# Altium PCB SuperClock_Core_backup.PcbDoc
Units mil, origin at the board's own origin, x right, y up, seen from the top; angles counter-clockwise.
Board outline 3543.06 x 3149.19 mil, 4 copper layers (Top Layer, VCC2, GND3, Bottom Layer), stack 23.756 mil thick; 76 components, 56 nets, 293 pads, 66 vias.
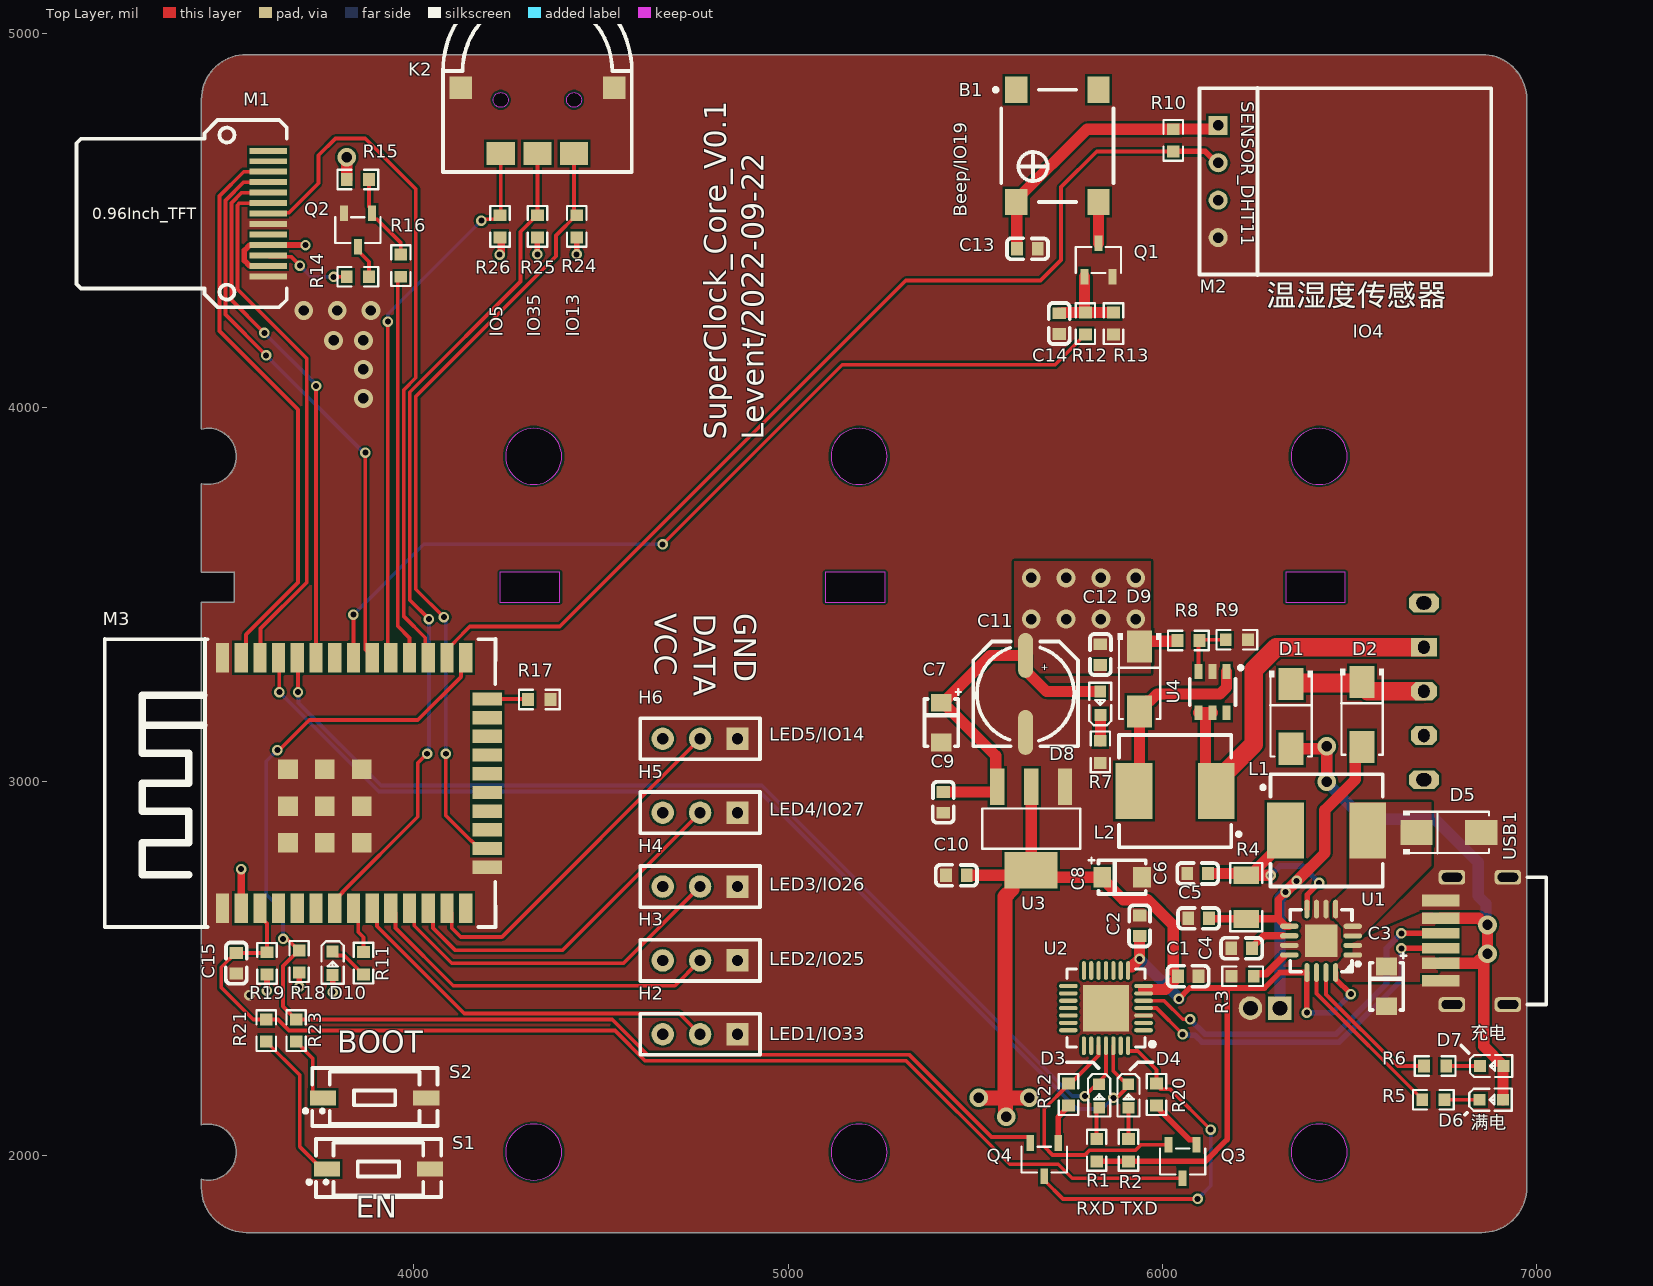
[diagram p0: Top Layer view]
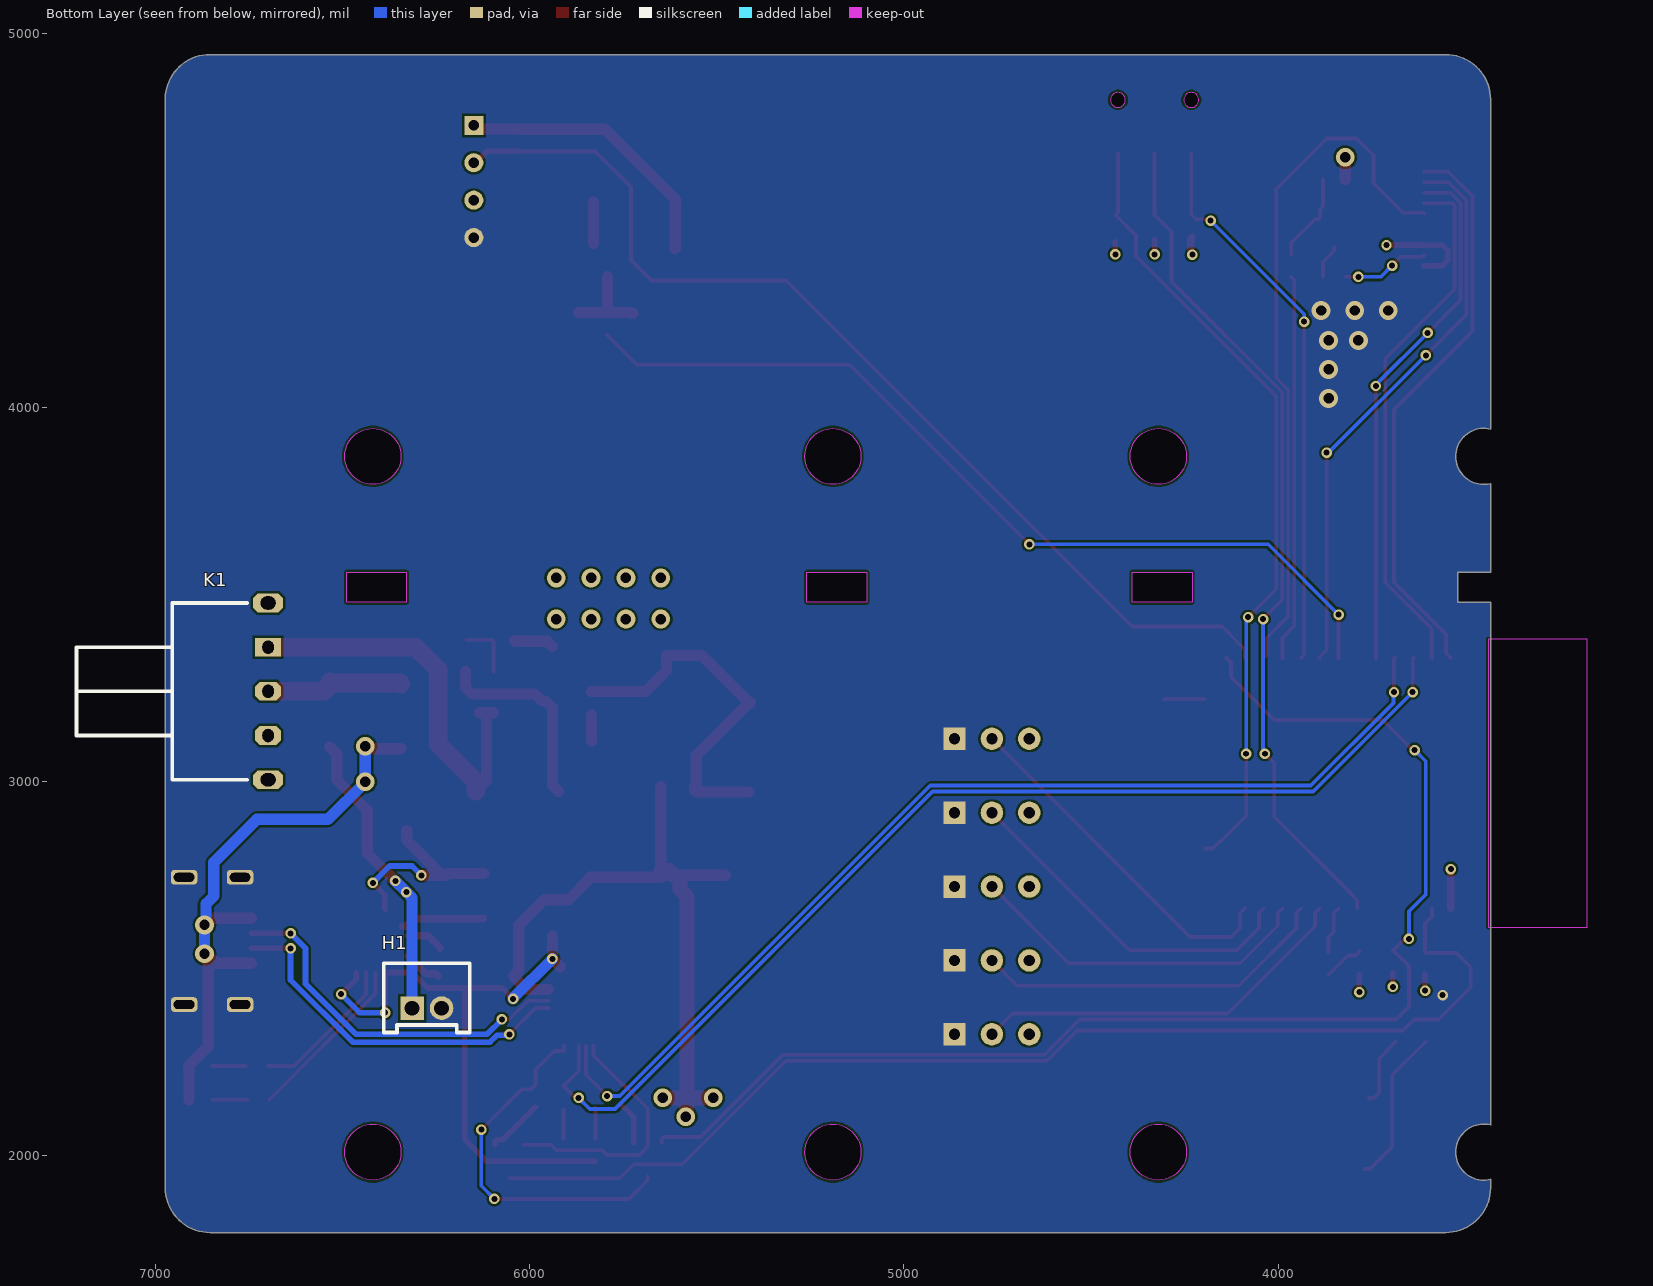
[diagram p1: Bottom Layer view, seen from below]
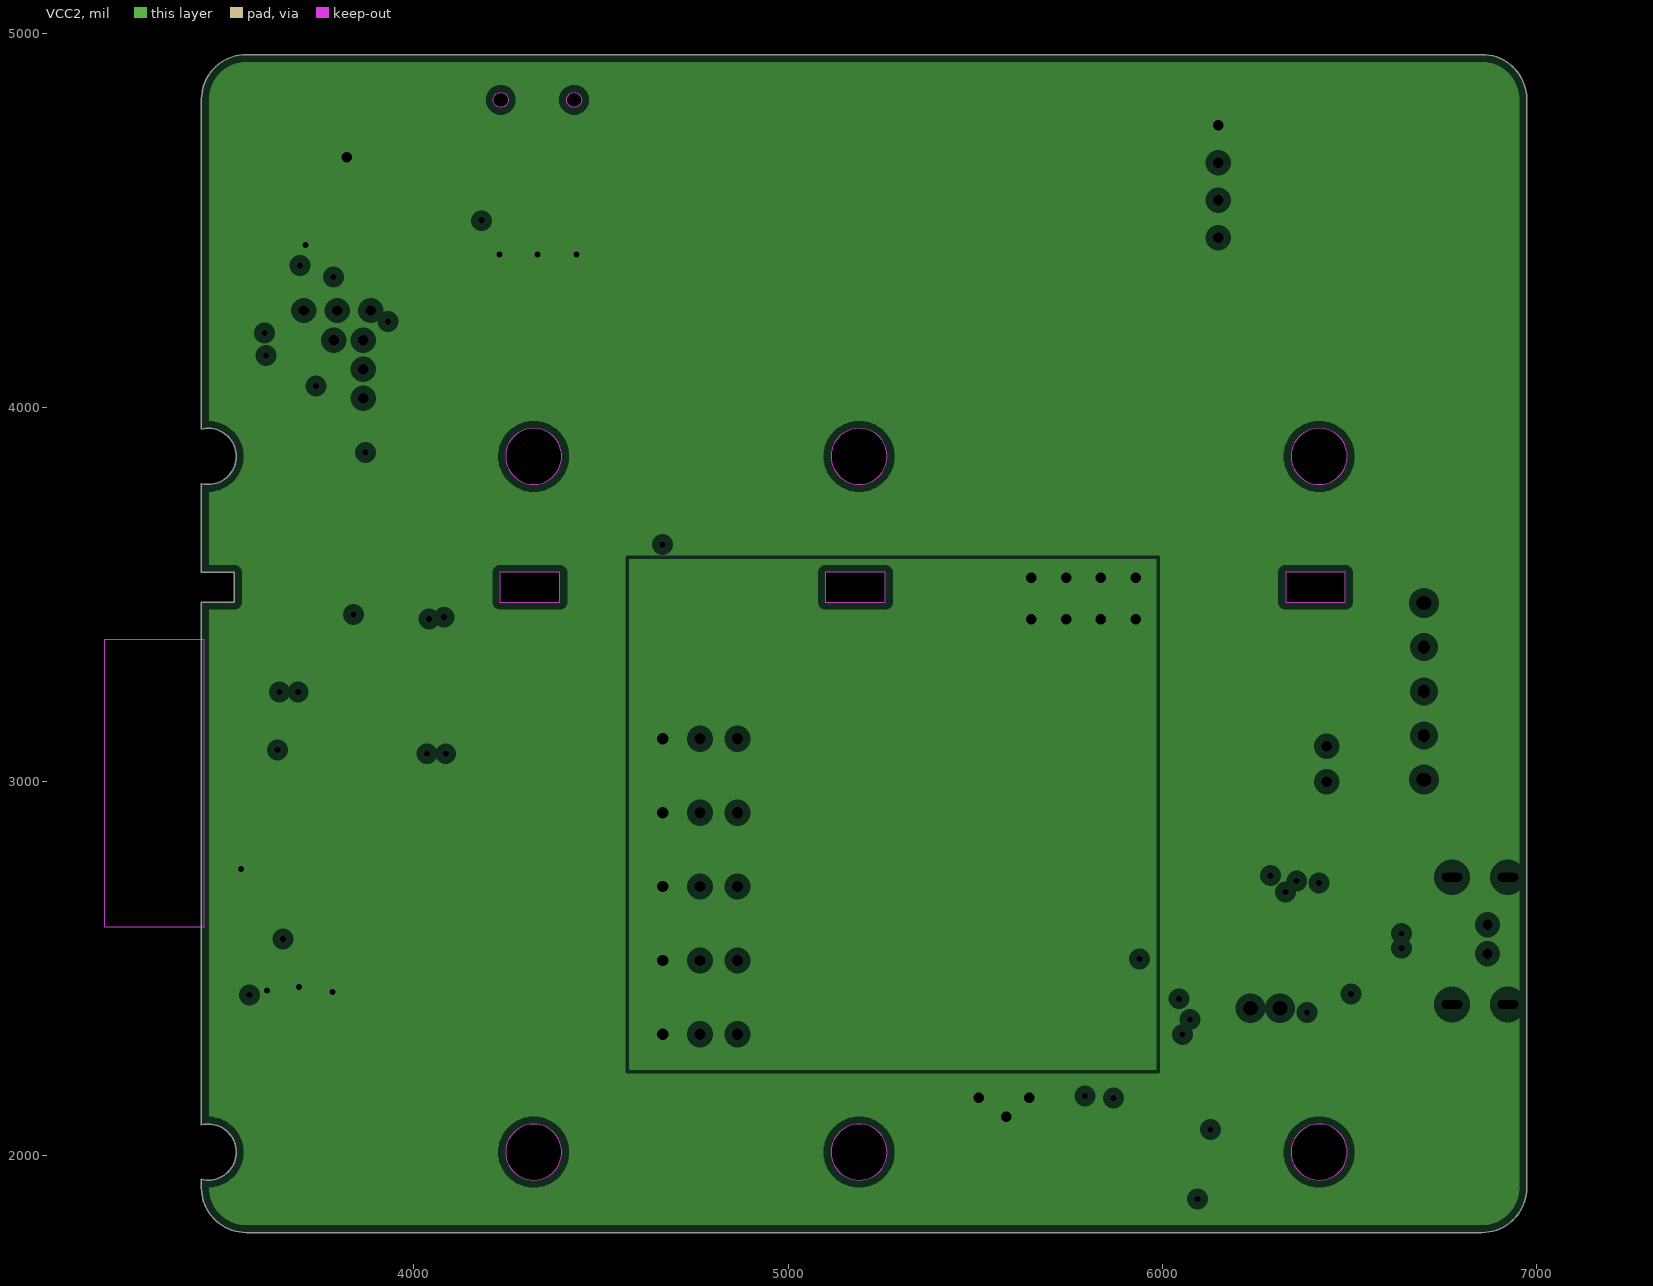
[diagram p2: VCC2, clearances drawn from the general rule]
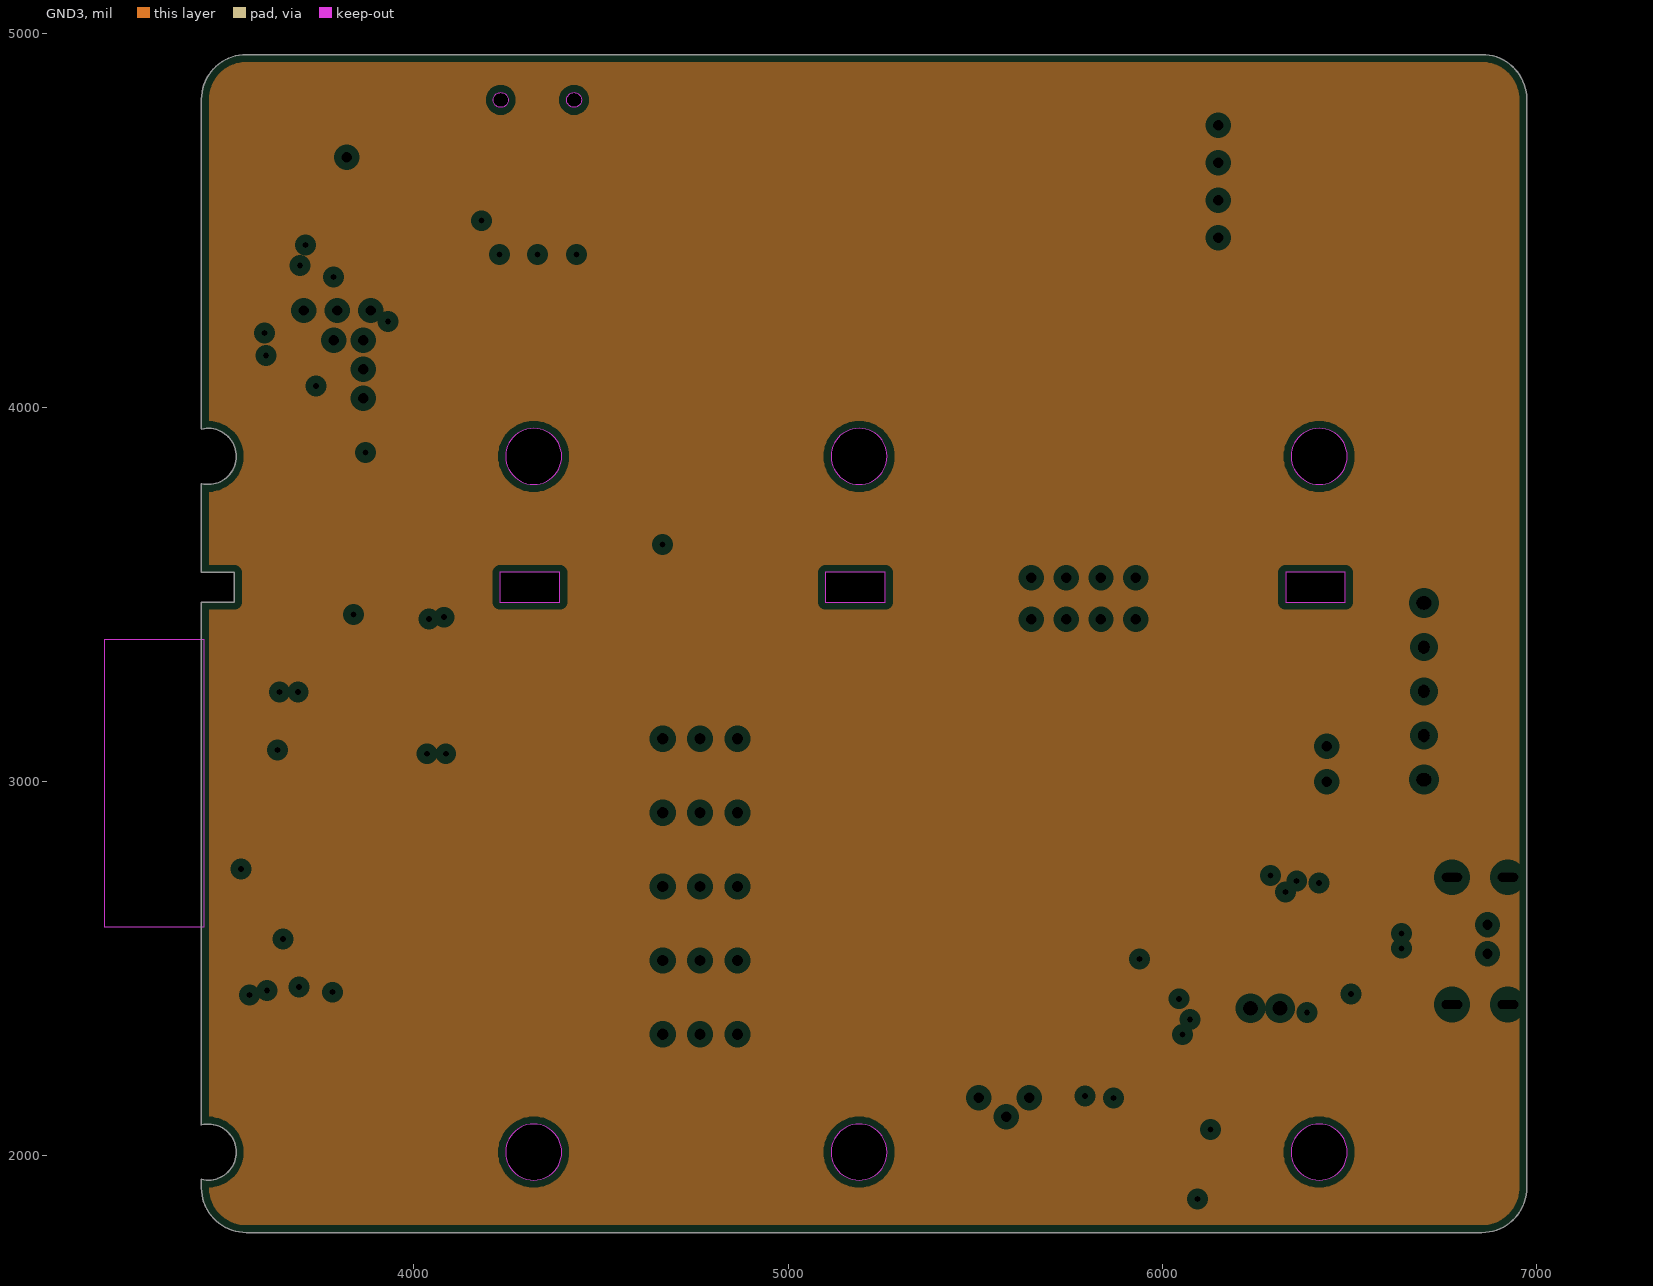
[diagram p3: GND3, clearances drawn from the general rule]
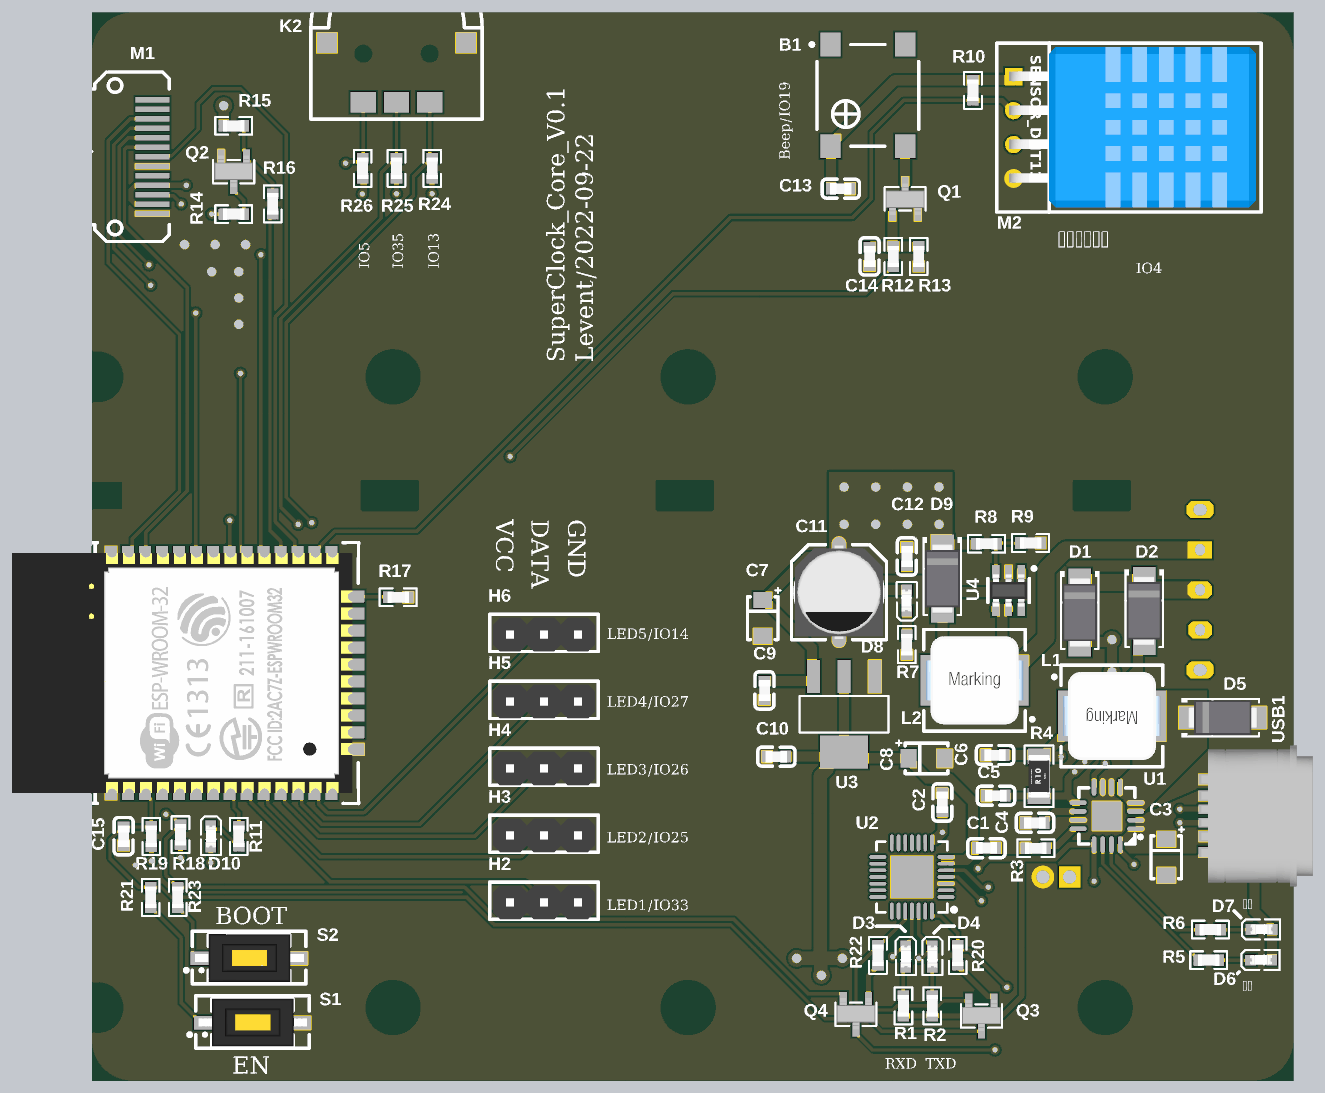
[diagram p4: 3D render of the assembled board from above, using the file's embedded part models]

## Layer stack, top to bottom
Top Solder: solder mask 0.4, Solder Resist, Dk 3.5
Top Layer: signal copper 1.4
Dielectric 2: prepreg 2.8, PP-006, Dk 4.1
VCC2: plane copper 1.378, net V33
Dielectric 1: dielectric 12.6, FR-4, Dk 4.8
GND3: plane copper 1.378
Dielectric 3: prepreg 2.8, PP-006, Dk 4.1
Bottom Layer: signal copper 1.4
Bottom Solder: solder mask 0.4, Solder Resist, Dk 3.5

## Board outline
3432,1914.19 3432,1937.19 ccw(c3450,2010) 3431.94,2082.79 3431.94,2082.75 3431.94,3480 3520,3480 3520,3560 3431.94,3560 3431.94,3797.08 3432.44,3797.08 ccw(c3450,3870) 3432.5,3942.93 3432,3943.43 3432,4824.19 cw(c3552,4824.19) 3552,4944.19 6855,4944.19 cw(c6855.4,4824.59) 6975,4824.99 6975,1915 cw(c6855,1915) 6855,1795 3552,1795 cw(c3551.6,1914.6)
cut-out: 6345,2010 ccw(c6420,2010) 6420,1935 ccw(c6420,2010) 6495,2010 ccw(c6420,2010) 6420,2085 ccw(c6420,2010)
cut-out: 6345,3870 ccw(c6420,3870) 6420,3795 ccw(c6420,3870) 6495,3870 ccw(c6420,3870) 6420,3945 ccw(c6420,3870)
cut-out: 4245,2010 ccw(c4320,2010) 4320,1935 ccw(c4320,2010) 4395,2010 ccw(c4320,2010) 4320,2085 ccw(c4320,2010)
cut-out: 4245,3870 ccw(c4320,3870) 4320,3795 ccw(c4320,3870) 4395,3870 ccw(c4320,3870) 4320,3945 ccw(c4320,3870)
cut-out: 5115,3870 ccw(c5190,3870) 5190,3795 ccw(c5190,3870) 5265,3870 ccw(c5190,3870) 5190,3945 ccw(c5190,3870)
cut-out: 5115,2010 ccw(c5190,2010) 5190,1935 ccw(c5190,2010) 5265,2010 ccw(c5190,2010) 5190,2085 ccw(c5190,2010)
cut-out: 6330,3480 6490,3480 6490,3560 6330,3560
cut-out: 5100,3480 5260,3480 5260,3560 5100,3560
cut-out: 4230,3480 4390,3480 4390,3560 4230,3560

## Design rules (kind name [scope] priority, off if disabled: settings)
Clearance [All] p1: gap=6 ignorepadtopadclearanceinfootprint=FALSE
HoleToHoleClearance [All] p1: gap=2 allowstackedmicrovias=TRUE
MinimumSolderMaskSliver [All] p1: minsoldermaskwidth=2
PlaneClearance [All] p1: clearance=20
PlaneConnect [All] p1: planeconnectstyle=Direct reliefexpansion=20 reliefentries=4 reliefconductorwidth=10 reliefairgap=10
PolygonConnect [All] p1: connectstyle=Direct reliefconductorwidth=10 reliefentries=4 polygonreliefangle="90 Angle" airgapwidth=10
RoutingVias [All] p1: holewidth=28 width=50 viastyle="Through Hole" minholewidth=16 minwidth=28 maxholewidth=28 maxwidth=50
SilkToSilkClearance [All] p1: silktosilkclearance=2
SilkToSolderMaskClearance [IsPad] p1: minsilkscreentomaskgap=2 clearancetoexposedcopper=TRUE
SolderMaskExpansion [All] p1: expansion=2 istentingtop=FALSE
Width PWR [InNetClass('PWR')] p1: maxlimit=50 minlimit=15 preferedwidth=15
Width [All] p2: maxlimit=50 minlimit=10 preferedwidth=10
24 further rules are at their usual default settings.

## Classes and differential pairs
net class PWR: GND V33 VBAT VBUS VSYS
component class SuperClock_Core_WIFI: B1 C13 C14 C15 D10 H2 H3 H4 H5 H6 K2 M1 M2 M3 Q1 Q2 Q3 Q4 R10 R11 R12 R13 R14 R15 R16 R17 R18 R19 R20 R21 R22 R23 R24 R25 R26 S1 S2
component class SuperClock_Core_PWR: C1 C2 C3 C4 C5 C6 C7 C8 C9 C10 C11 C12 D1 D2 D3 D4 D5 D6 D7 D8 D9 H1 K1 L1 L2 R1 R2 R3 R4 R5 R6 R7 R8 R9 U1 U2 U3 U4 USB1
